# KiCad board Accumulator.kicad_pcb (continued)
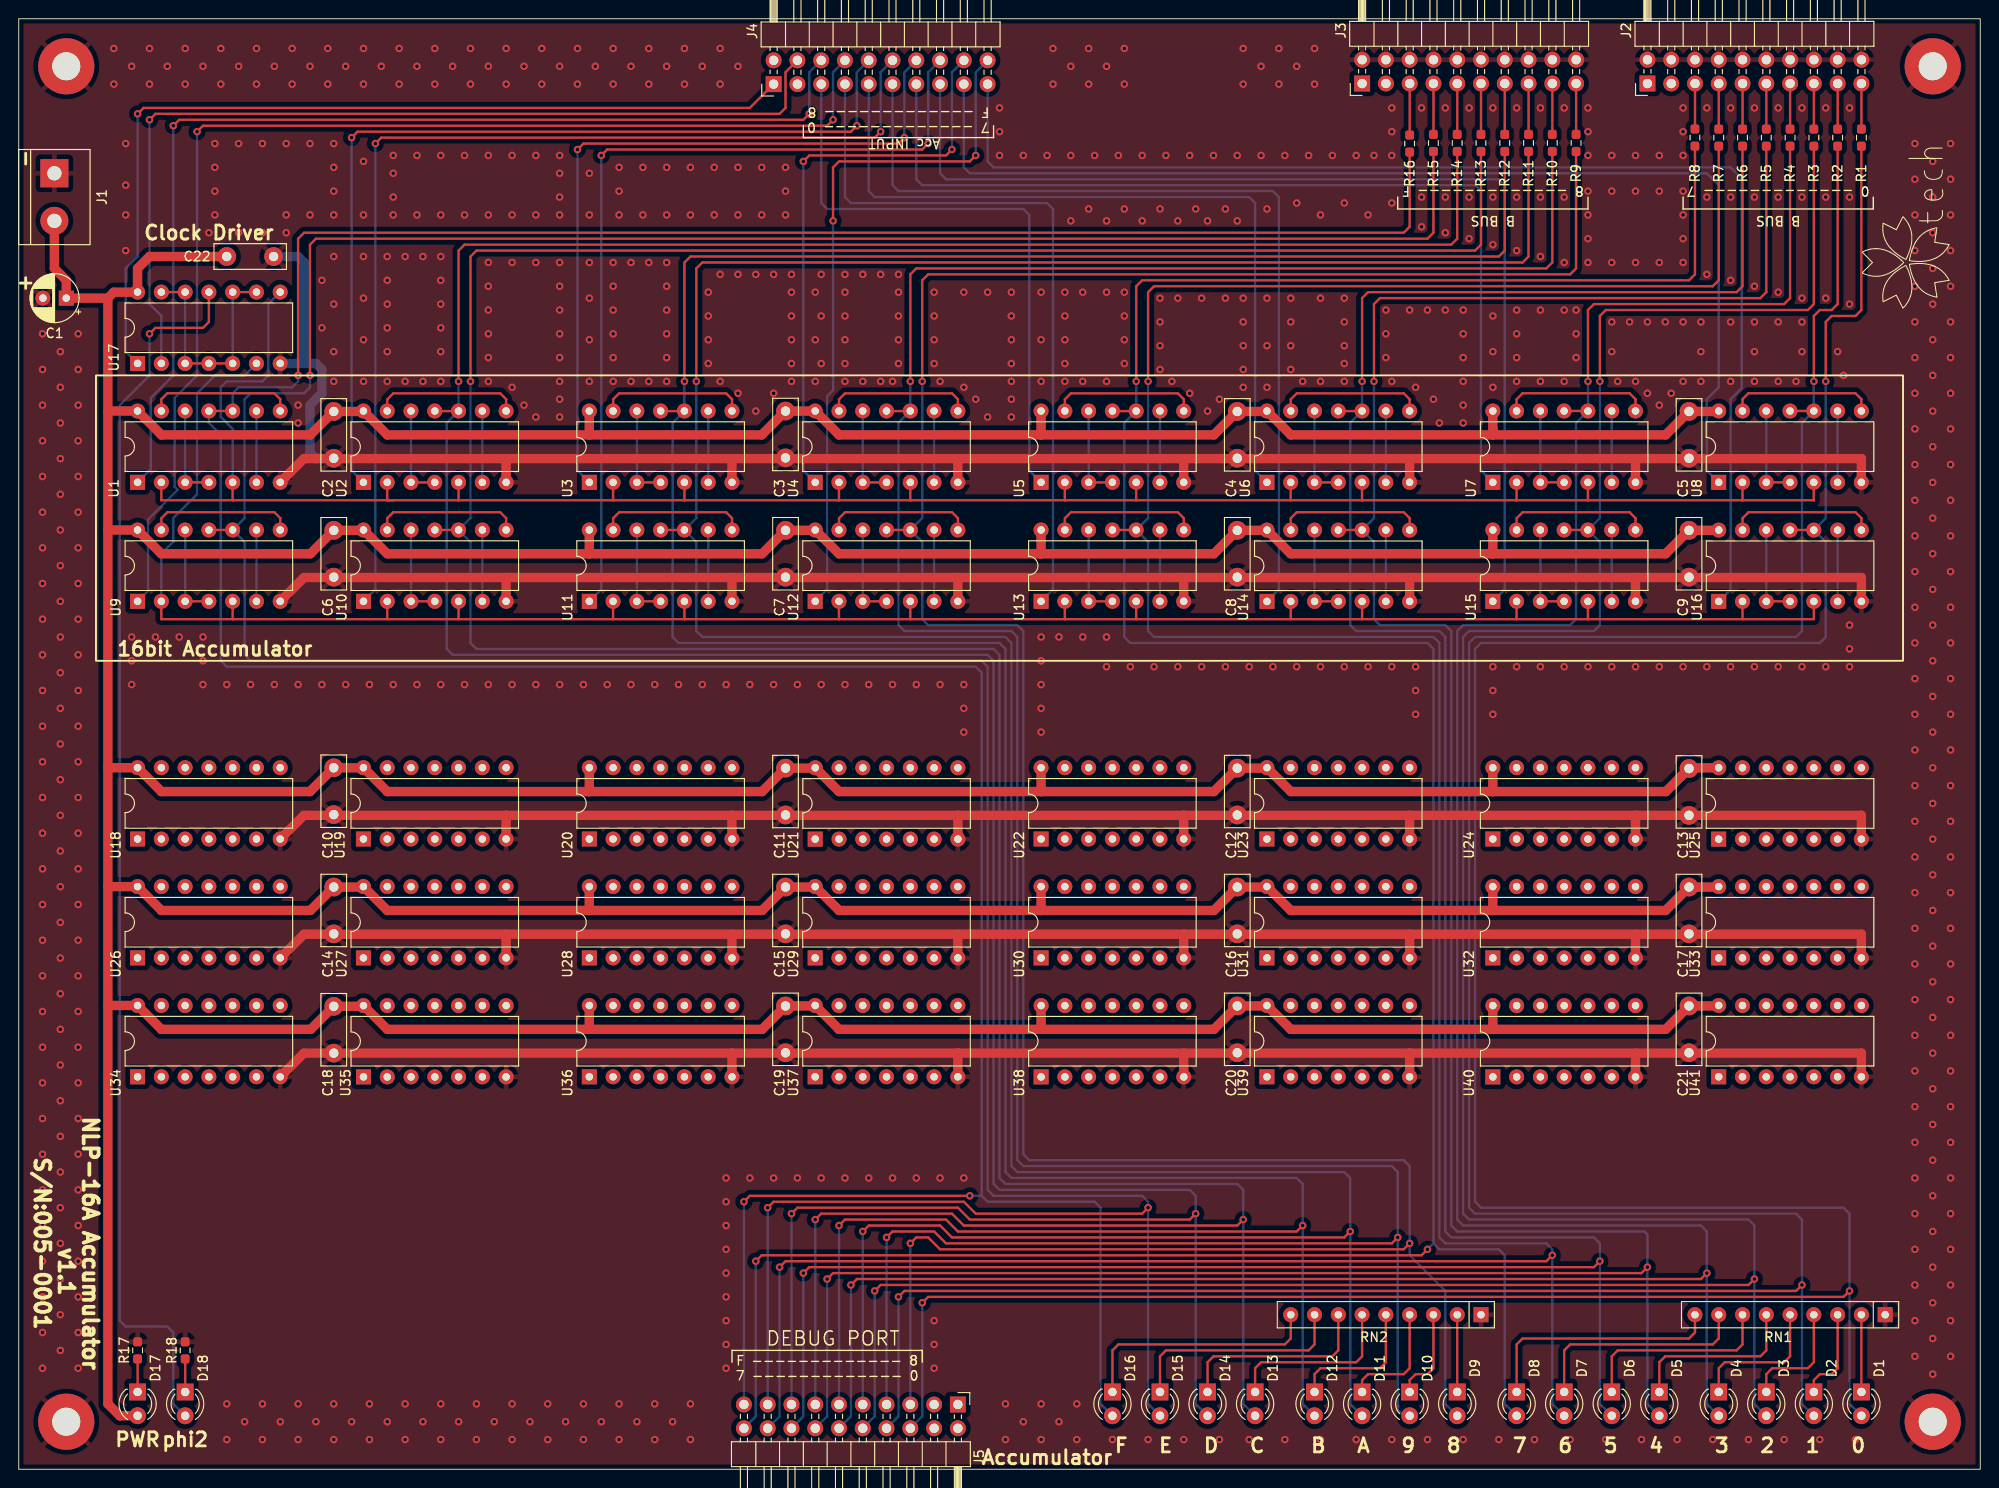
[diagram p0: board, top side]
## Routing (per net, layer and track width the routed paths; a pad name or vN(x,y) marks a point on that pad's centre or on a via; arc(x,y) is an arc through that point) (continued)
/Acc0/Gate: length 238.5
  Top w0.25: 135.89,90.8 119.38,90.8 ; 135.89,90.8 143.51,90.8 ; 135.89,90.8 U14.2 ; 119.38,90.8 119.38,90.81 U13.5 ; 119.38,90.8 111.76,90.8 ; U10.2 39.37,90.8 ; 39.37,90.8 22.86,90.8 ; 39.37,90.8 46.99,90.8 ; 160.02,90.8 143.51,90.8 ; 160.02,90.8 167.64,90.8 ; 160.02,90.8 160.02,90.81 160.02,92.71 ; 143.51,90.8 U14.5 ; U11.2 63.5,90.81 63.5,90.8 ; 95.25,90.8 95.25,90.81 U12.5 ; 95.25,90.8 87.63,90.8 ; 95.25,90.8 111.76,90.8 ; U13.2 111.75,90.81 111.76,90.8 ; 71.12,90.8 71.11,90.81 U11.5 ; 71.12,90.8 87.63,90.8 ; 71.12,90.8 63.5,90.8 ; 22.86,90.8 22.86,90.81 U9.5 ; 22.86,90.8 15.24,90.8 15.23,90.81 U9.2 ; U12.2 87.62,90.81 87.63,90.8 ; 167.64,90.8 184.15,90.8 ; 167.64,90.8 167.63,90.81 U15.5 ; 184.15,90.8 U16.2 ; 184.15,90.8 191.77,90.8 U16.5 ; 63.5,90.8 46.99,90.8 ; 46.99,90.8 U10.5
  Bottom w0.25: U9.2 15.23,97.78 16.51,99.06 16.51,101.6 19.05,104.14 19.05,114.93 20.95,116.84 24.11,116.84 U17.6
/Acc1/Gate: length 233.5
  Top w0.25: U3.2 63.5,103.51 63.5,103.5 ; 160.02,103.5 160.02,103.51 160.02,105.42 ; 160.02,103.5 167.64,103.5 ; 160.02,103.5 143.51,103.5 ; 111.76,103.5 119.38,103.5 ; 111.76,103.5 95.25,103.5 ; 111.76,103.5 111.75,103.51 U5.2 ; 119.38,103.5 135.89,103.5 ; 119.38,103.5 119.38,103.51 U5.5 ; U6.2 135.88,103.51 135.89,103.5 ; 46.99,103.5 46.98,103.51 U2.5 ; 46.99,103.5 63.5,103.5 ; 46.99,103.5 40,103.5 ; 22.86,103.5 22.86,103.51 U1.5 ; 22.86,103.5 40,103.5 ; 22.86,103.5 15.24,103.5 15.23,103.51 U1.2 ; U8.5 191.77,103.51 191.77,103.5 184.15,103.5 ; 167.64,103.5 184.15,103.5 ; 167.64,103.5 167.63,103.51 U7.5 ; 184.15,103.5 184.15,103.51 U8.2 ; 71.12,103.5 87.63,103.5 ; 71.12,103.5 71.11,103.51 U3.5 ; 71.12,103.5 63.5,103.5 ; 87.63,103.5 87.62,103.51 U4.2 ; 87.63,103.5 95.25,103.5 ; U6.5 143.5,103.51 143.51,103.5 ; U4.5 95.25,103.51 95.25,103.5 ; 135.89,103.5 143.51,103.5 ; 39.36,105.42 39.36,103.51 39.37,103.5 40,103.5
  Bottom w0.25: U17.8 26.67,124.47 26.67,116.84 26.03,116.2 22.22,116.2 21.59,115.57 21.59,112.4 22.86,111.13 U1.5
/DEBUG0: length 332.3
  Top w0.25: v1(96.52,17.78) 97.16,18.41 194.94,18.41 v1(195.58,19.05) ; 189.23,100.33 191.77,100.33 ; R1.1 196.85,123.82 196.22,123.19 193.68,123.19 193.04,122.55 v1(193.04,116.2)
  Bottom w0.25: D1.2 195.59,6.98 195.58,6.98 v1(195.58,19.05) 195.58,27.3 194.94,27.94 156.21,27.94 155.57,28.57 155.57,87.63 156.21,88.26 192.41,88.26 193.04,88.9 193.04,99.06 193.03,99.06 U16.10 193.04,101.59 v1(193.04,116.2) ; J5.6 96.52,5.65 v1(96.52,17.78)
/DEBUG1: length 322.2
  Top w0.25: v1(93.98,18.41) 94.62,19.05 189.87,19.05 v1(190.5,19.69) ; R2.1 194.31,124.46 193.68,123.82 192.41,123.82 191.77,123.19 v1(191.77,116.2) ; U8.11 U8.10
  Bottom w0.25: v1(93.98,18.41) 93.98,5.65 J5.8 ; v1(191.77,116.2) 191.77,116.2 U8.10 190.5,111.77 190.5,89.53 189.87,88.9 155.57,88.9 154.94,88.26 154.94,27.94 155.57,27.3 189.87,27.3 190.5,26.67 v1(190.5,19.69) 190.5,6.99 D2.2
/DEBUG2: length 315.8
  Top w0.25: R3.1 191.77,124.46 191.13,123.82 169.54,123.82 168.91,123.19 v1(168.91,116.2) ; 165.1,100.33 167.64,100.33 ; v1(91.44,19.05) 92.07,19.69 184.78,19.69 v1(185.42,20.32)
  Bottom w0.25: v1(91.44,19.05) 91.44,5.65 J5.10 ; v1(168.91,116.2) 168.91,101.6 168.91,101.6 167.63,100.33 168.91,99.06 168.91,99.06 168.91,90.17 168.28,89.53 154.94,89.53 154.31,88.9 154.31,27.3 154.94,26.67 184.78,26.67 185.42,26.03 v1(185.42,20.32) 185.42,6.99 D3.2
/DEBUG3: length 305.7
  Top w0.25: R4.1 189.23,125.09 188.59,124.46 168.28,124.46 167.64,123.82 v1(167.64,116.2) ; v1(88.9,19.69) 89.53,20.32 179.71,20.32 v1(180.34,20.95) ; U7.11 U7.10
  Bottom w0.25: D4.2 180.34,6.98 180.34,6.98 v1(180.34,20.95) 180.34,25.4 179.71,26.03 154.31,26.03 153.67,26.67 153.67,89.53 154.31,90.17 165.74,90.17 166.37,90.8 166.37,111.77 U7.10 167.63,116.2 v1(167.64,116.2) ; J5.12 88.9,5.65 v1(88.9,19.69)
/DEBUG4: length 313.4
  Top w0.25: v1(173.99,21.59) 173.35,20.95 87,20.95 v1(86.36,20.32) ; v1(144.78,116.2) 144.78,124.46 145.41,125.09 186.06,125.09 186.69,125.73 R5.1 ; 140.97,100.33 143.51,100.33
  Bottom w0.25: J5.14 86.36,5.65 v1(86.36,20.32) ; v1(144.78,116.2) 144.78,101.59 U14.10 144.77,99.06 144.78,99.06 144.78,90.8 145.41,90.17 152.4,90.17 153.03,89.53 153.03,26.03 153.67,25.4 173.67,25.4 173.99,25.08 v1(173.99,21.59) 173.99,6.98 D5.2
/DEBUG5: length 307
  Top w0.25: v1(83.82,20.95) 84.46,21.59 168.28,21.59 v1(168.91,22.22) ; 140.97,113.03 143.51,113.03 ; R6.1 184.15,126.36 183.52,125.73 144.15,125.73 143.51,125.09 v1(143.51,116.2)
  Bottom w0.25: v1(143.51,116.2) 143.5,116.2 U6.10 142.24,111.77 142.24,90.17 142.88,89.53 151.77,89.53 152.4,88.9 152.4,25.4 153.03,24.76 168.28,24.76 168.91,24.13 168.91,6.99 D6.2 ; v1(83.82,20.95) 83.82,5.65 J5.16
/DEBUG6: length 342.5
  Top w0.25: v1(81.28,21.59) 81.92,22.22 163.19,22.22 v1(163.83,22.86) ; 116.84,100.33 119.38,100.33 ; R7.1 181.61,127 180.97,126.36 121.28,126.36 120.65,125.73 v1(120.65,116.2)
  Bottom w0.25: D7.2 163.83,6.99 163.83,23.49 163.19,24.13 152.4,24.13 151.77,24.76 151.77,88.26 151.13,88.9 121.28,88.9 120.65,89.53 120.65,99.06 120.65,99.06 119.38,100.33 120.65,101.6 120.65,101.6 v1(120.65,116.2) ; J5.18 81.28,5.65 v1(81.28,21.59)
/DEBUG7: length 328.9
  Top w0.25: v1(150.5,23.49) 149.86,22.86 79.38,22.86 v1(78.74,22.22) ; 116.84,113.03 119.38,113.03 ; R8.1 179.07,127.63 178.44,127 120.02,127 119.38,126.36 v1(119.38,116.2)
  Bottom w0.25: v1(150.5,23.49) 151.13,24.13 ; 151.13,24.13 151.13,87.63 150.5,88.26 118.75,88.26 118.11,88.9 118.11,111.77 U5.10 119.38,116.2 v1(119.38,116.2) ; 151.13,24.13 151.77,23.49 158.12,23.49 158.75,22.86 158.75,6.99 D8.2 ; J5.20 78.74,5.65 v1(78.74,22.22)
/DEBUG8: length 332
  Top w0.25: v1(95.25,24.13) 95.88,24.76 97.16,24.76 98.43,23.49 147.96,23.49 v1(148.59,24.13) ; R9.1 166.37,128.27 165.74,127.63 97.16,127.63 96.52,127 v1(96.52,116.2) ; 92.71,100.33 95.25,100.33
  Bottom w0.25: D9.2 152.4,6.99 152.4,19.05 148.59,22.86 v1(148.59,24.13) 148.59,32.38 147.96,33.02 107.95,33.02 107.31,33.66 107.31,89.53 106.68,90.17 97.16,90.17 96.52,90.8 96.52,99.06 96.52,99.06 95.25,100.33 96.52,101.6 96.52,101.6 v1(96.52,116.2) ; v1(95.25,24.13) 95.25,6.98
/DEBUG9: length 332.1
  Top w0.25: v1(95.25,116.2) 95.25,127.63 95.88,128.27 163.19,128.27 163.83,128.9 R10.1 ; 92.71,113.03 95.25,113.03 ; v1(147.32,24.76) 146.69,24.13 99.06,24.13 97.79,25.4 93.34,25.4 v1(92.71,24.76)
  Bottom w0.25: D10.2 147.96,5.71 147.32,6.35 v1(147.32,24.76) 147.32,31.75 146.69,32.38 107.31,32.38 106.68,33.02 106.68,88.9 106.04,89.53 94.62,89.53 93.98,90.17 93.98,111.77 U4.10 95.25,116.2 v1(95.25,116.2) ; v1(92.71,24.76) 92.71,6.98
/DEBUG10: length 367.2
  Top w0.25: v1(72.39,116.2) 72.39,128.27 73.03,128.9 160.66,128.9 161.29,129.54 R11.1 ; v1(142.24,25.4) 141.6,24.76 99.69,24.76 98.43,26.03 90.81,26.03 v1(90.17,25.4) ; 68.58,100.33 71.12,100.33
  Bottom w0.25: v1(72.39,116.2) 72.39,101.6 72.39,101.6 71.11,100.33 72.39,99.06 72.39,99.06 72.39,89.53 73.03,88.9 105.41,88.9 106.04,88.26 106.04,32.38 106.68,31.75 141.6,31.75 142.24,31.11 142.24,6.98 D11.2 ; 90.17,6.98 v1(90.17,25.4)
/DEBUG11: length 361
  Top w0.25: R12.1 158.75,130.17 158.12,129.54 71.75,129.54 71.12,128.9 v1(71.12,116.2) ; 68.58,113.03 71.12,113.03 ; v1(87.63,26.03) 88.27,26.67 99.06,26.67 100.33,25.4 136.53,25.4 v1(137.16,26.03)
  Bottom w0.25: v1(71.12,116.2) 71.11,116.2 U3.10 69.85,111.77 69.85,88.9 70.48,88.26 104.78,88.26 105.41,87.63 105.41,31.75 106.04,31.11 136.53,31.11 137.16,30.48 v1(137.16,26.03) 137.16,6.99 D12.2 ; 87.63,6.98 v1(87.63,26.03)
/DEBUG12: length 393.9
  Top w0.25: R13.1 156.21,130.81 155.57,130.17 48.89,130.17 48.26,129.54 v1(48.26,116.2) ; 44.45,100.33 46.99,100.33 ; v1(85.09,26.67) 85.72,27.3 99.7,27.3 100.97,26.03 130.18,26.03 v1(130.81,26.67)
  Bottom w0.25: D13.2 130.81,6.99 130.81,29.84 130.18,30.48 105.41,30.48 104.78,31.11 104.78,86.99 104.14,87.63 48.89,87.63 48.26,88.26 48.26,99.06 46.99,100.33 48.26,101.6 v1(48.26,116.2) ; 85.09,6.98 v1(85.09,26.67)
/DEBUG13: length 387.6
  Top w0.25: 44.45,113.03 46.99,113.03 ; R14.1 153.67,131.44 153.03,130.81 47.62,130.81 46.99,130.17 v1(46.99,116.2) ; v1(125.73,27.3) 125.09,26.67 101.6,26.67 100.33,27.94 83.19,27.94 v1(82.55,27.3)
  Bottom w0.25: D14.2 125.73,6.99 125.73,29.21 125.09,29.84 104.78,29.84 104.14,30.48 104.14,86.36 103.5,86.99 46.36,86.99 45.72,87.63 45.72,111.77 U2.10 46.98,116.2 v1(46.99,116.2) ; 82.55,6.98 v1(82.55,27.3)
/DEBUG14: length 422.4
  Top w0.25: 20.32,100.33 22.86,100.33 ; v1(80.01,27.94) 80.64,28.57 100.97,28.57 102.24,27.3 120.02,27.3 v1(120.65,27.94) ; v1(31.11,116.84) 31.11,130.81 31.75,131.44 150.5,131.44 151.13,132.08 R15.1
  Bottom w0.25: 80.01,6.98 v1(80.01,27.94) ; v1(31.11,116.84) 31.11,115.57 30.48,114.93 24.77,114.93 24.12,114.29 24.12,101.6 22.86,100.33 24.12,99.06 24.13,99.06 24.13,86.99 24.77,86.36 102.87,86.36 103.5,85.72 103.5,29.84 104.14,29.21 120.02,29.21 120.65,28.57 120.65,6.99 D15.2
/DEBUG15: length 402.6
  Top w0.25: v1(77.47,28.57) 78.11,29.21 v1(101.6,29.21) ; U1.11 U1.10 ; v1(29.84,116.84) 29.84,131.44 30.48,132.08 147.96,132.08 148.59,132.71 R16.1
  Bottom w0.25: U1.11 20.31,111.76 21.59,110.49 21.59,86.36 22.22,85.72 102.24,85.72 102.87,85.09 102.87,29.21 ; 102.87,29.21 v1(101.6,29.21) ; 102.87,29.21 103.5,28.57 114.94,28.57 115.57,27.94 115.57,6.99 D16.2 ; 77.47,6.98 v1(77.47,28.57) ; U1.10 22.86,114.93 23.5,115.57 29.21,115.57 29.84,116.2 v1(29.84,116.84)
AccIN0: length 135.8
  Bottom w0.25: U16.1 182.88,93.97 182.88,114.3 184.06,115.48 184.06,137.88 182.88,139.06 104.14,139.06 103.5,139.7 J4.19
AccIN1: length 123.1
  Bottom w0.25: U8.1 180.34,106.68 180.34,114.3 181.61,115.57 181.61,137.16 180.34,138.43 101.6,138.43 100.97,139.06 J4.17
AccIN2: length 115.4
  Bottom w0.25: U15.1 157.48,92.71 158.75,93.98 158.75,137.16 158.12,137.79 99.06,137.79 98.43,138.43 J4.15
AccIN3: length 102.6
  Bottom w0.25: J4.13 95.88,137.79 96.52,137.16 155.57,137.16 156.21,136.52 156.21,106.68 157.47,105.42 U7.1
AccIN4: length 96.3
  Bottom w0.25: U14.1 133.35,92.71 134.62,93.98 134.62,135.89 133.99,136.52 93.98,136.52 93.34,137.16 J4.11
AccIN5: length 83.6
  Bottom w0.25: U6.1 133.34,105.42 132.08,106.68 132.08,135.25 131.44,135.89 91.44,135.89 90.81,136.52 J4.9
AccIN6: length 77.3
  Bottom w0.25: U13.1 109.22,92.71 110.49,93.98 110.49,134.62 109.85,135.25 88.9,135.25 88.27,135.89 J4.7
AccIN7: length 64.5
  Bottom w0.25: U5.1 107.96,106.68 107.95,106.68 107.95,133.98 107.31,134.62 86.36,134.62 85.72,135.25 J4.5
AccIN8: length 73.6
  Top w0.25: v1(102.24,140.33) 101.6,139.7 87.63,139.7 87,139.06 v1(87,133.35)
  Bottom w0.25: v1(102.24,140.33) 102.24,149.22 J4.20 ; U12.1 85.09,92.71 86.36,93.98 86.36,114.62 87,115.25 v1(87,133.35)
AccIN9: length 61.3
  Top w0.25: v1(99.69,140.97) 99.06,140.33 84.46,140.33 v1(83.82,139.7)
  Bottom w0.25: v1(99.69,140.97) 99.69,149.22 J4.18 ; v1(83.82,139.7) 83.82,106.68 85.08,105.42 U4.1
AccIN10: length 93
  Top w0.25: v1(97.16,141.6) 96.52,140.97 62.86,140.97 v1(62.23,140.33)
  Bottom w0.25: J4.16 97.16,149.22 v1(97.16,141.6) ; v1(62.23,140.33) 62.23,93.98 60.96,92.71 U11.1
AccIN11: length 80.3
  Top w0.25: v1(59.69,140.97) 60.33,141.6 93.98,141.6 v1(94.62,142.24)
  Bottom w0.25: J4.14 94.62,149.22 v1(94.62,142.24) ; U3.1 60.95,105.42 59.69,106.68 v1(59.69,140.97)
AccIN12: length 112.1
  Top w0.25: v1(92.07,142.88) 91.44,142.24 38.73,142.24 v1(38.1,141.6)
  Bottom w0.25: v1(38.1,141.6) 38.1,93.98 U10.1 ; J4.12 92.07,149.22 v1(92.07,142.88)
AccIN13: length 99.4
  Top w0.25: v1(89.53,143.51) 88.9,142.88 36.2,142.88 v1(35.56,142.24)
  Bottom w0.25: v1(89.53,143.51) 89.53,149.22 J4.10 ; U2.1 36.82,105.42 35.56,106.68 v1(35.56,142.24)
AccIN14: length 128.4
  Top w0.25: v1(19.05,142.88) 19.69,143.51 86.36,143.51 v1(87,144.14)
  Bottom w0.25: U9.1 13.82,93.83 13.82,101.45 16.99,104.62 16.65,104.95 16.65,114.44 19.05,116.84 v1(19.05,142.88) ; v1(87,144.14) 87,149.22 J4.8
AccIN15: length 114.4
  Top w0.25: v1(16.51,143.51) 17.15,144.14 83.82,144.14 v1(84.46,144.78)
  Bottom w0.25: v1(16.51,143.51) 16.51,116.84 14.11,114.44 14.11,106.83 U1.1 ; J4.6 84.46,149.22 v1(84.46,144.78)
OUT0: length 4.9
  Top w0.25: J2.19 196.85,143.16 R1.2
OUT1: length 4.9
  Top w0.25: R2.2 194.31,143.16 J2.17
OUT2: length 4.9
  Top w0.25: J2.15 191.78,143.16 R3.2
OUT3: length 4.9
  Top w0.25: J2.13 189.24,143.16 R4.2
OUT4: length 4.9
  Top w0.25: R5.2 186.69,143.16 J2.11
OUT5: length 4.9
  Top w0.25: J2.9 184.16,143.16 R6.2
OUT6: length 4.9
  Top w0.25: J2.7 181.62,143.16 R7.2
OUT7: length 4.9
  Top w0.25: J2.5 179.07,143.16 R8.2
OUT8: length 5.4
  Top w0.25: J3.19 166.38,142.59 R9.2
OUT9: length 5.4
  Top w0.25: R10.2 163.84,142.59 J3.17
OUT10: length 5.4
  Top w0.25: R11.2 161.29,142.59 J3.15
OUT11: length 5.4
  Top w0.25: J3.13 158.75,142.59 R12.2
OUT12: length 5.4
  Top w0.25: R13.2 156.22,142.59 J3.11
OUT13: length 5.4
  Top w0.25: R14.2 153.68,142.59 J3.9
OUT14: length 5.4
  Top w0.25: J3.7 151.13,142.59 R15.2
OUT15: length 5.5
  Top w0.25: J3.5 148.59,142.52 R16.2
phi2: length 97
  Top w0.25: J4.1 78.11,145.41 13.34,145.41 v1(12.7,144.78)
  Bottom w0.25: v1(12.7,144.78) 12.7,129.54 11.43,128.27 11.43,119.38 U17.1
~Acc: length 100.6
  Top w0.25: J4.4 81.92,149.22 81.92,145.41 81.28,144.78 14.61,144.78 v1(13.97,144.14)
  Bottom w0.25: U17.2 15.23,123.18 15.24,123.19 13.97,124.46 v1(13.97,144.14)
Net-(D1-Pad1): length 8.2
  Top w0.25: D1.1 RN1.2
Net-(D2-Pad1): length 10
  Top w0.25: D2.1 191.77,9.52 192.41,10.16 193.68,10.16 194.31,10.79 RN1.3
Net-(D3-Pad1): length 12.6
  Top w0.25: RN1.4 191.77,11.43 191.13,10.79 187.32,10.79 186.69,10.16 D3.1
Net-(D4-Pad1): length 15.1
  Top w0.25: RN1.5 189.23,12.06 188.59,11.43 182.25,11.43 181.61,10.79 D4.1
Net-(D5-Pad1): length 18.9
  Top w0.25: D5.1 175.26,11.43 175.9,12.06 186.06,12.06 186.69,12.7 RN1.6
Net-(D6-Pad1): length 21.5
  Top w0.25: D6.1 170.18,12.06 170.81,12.7 183.52,12.7 184.15,13.33 RN1.7
Net-(D7-Pad1): length 24
  Top w0.25: RN1.8 181.61,13.97 180.97,13.33 165.74,13.33 165.1,12.7 D7.1
Net-(D8-Pad1): length 26.6
  Top w0.25: D8.1 160.02,13.33 160.66,13.97 178.44,13.97 179.07,14.6 RN1.9
Net-(D9-Pad1): length 8.2
  Top w0.25: D9.1 RN2.2
Net-(D10-Pad1): length 10.1
  Top w0.25: D10.1 148.59,9.52 149.22,10.16 150.5,10.16 151.13,10.79 RN2.3
Net-(D11-Pad1): length 12.6
  Top w0.25: D11.1 143.51,9.52 144.15,10.16 147.96,10.16 148.59,10.79 RN2.4
Net-(D12-Pad1): length 15.1
  Top w0.25: RN2.5 146.05,11.43 145.41,10.79 139.06,10.79 138.43,10.16 D12.1
Net-(D13-Pad1): length 18.9
  Top w0.25: D13.1 132.08,10.79 132.72,11.43 142.88,11.43 143.51,12.06 RN2.6
Net-(D14-Pad1): length 21.5
  Top w0.25: D14.1 127,11.43 127.63,12.06 140.34,12.06 140.97,12.7 RN2.7
Net-(D15-Pad1): length 24
  Top w0.25: D15.1 121.92,12.06 122.56,12.7 137.79,12.7 138.43,13.33 RN2.8
Net-(D16-Pad1): length 26.6
  Top w0.25: RN2.9 135.89,13.97 135.25,13.33 117.47,13.33 116.84,12.7 D16.1
Net-(D17-Pad1): length 3.5
  Top w0.25: D17.1 R17.1
Net-(D18-Pad1): length 3.5
  Top w0.25: 17.78,8.26 R18.1
Net-(D18-Pad2): length 132.4
  Top w0.25: v1(13.97,121.28) 14.61,121.92 19.69,121.92 20.31,122.55 U17.11
  Bottom w0.25: 17.78,5.72 16.51,6.99 16.51,14.6 15.88,15.24 11.43,15.24 10.8,15.88 10.8,113.66 13.97,116.84 v1(13.97,121.28)
Net-(U1-Pad6): length 7.6
  Bottom w0.25: U1.6 U1.9
Net-(U1-Pad12): length 10.2
  Top w0.25: U1.3 U1.4
  Bottom w0.25: U1.3 U1.12
Net-(U1-Pad13): length 15.8
  Top w0.25: U1.8 27.94,114.29 27.94,114.3 27.31,114.93 15.88,114.93 15.23,114.29 U1.13
Net-(U2-Pad6): length 7.6
  Bottom w0.25: 49.53,105.41 49.53,113.03
Net-(U2-Pad12): length 10.2
  Top w0.25: 41.91,105.41 44.45,105.41
  Bottom w0.25: 41.91,105.41 41.91,113.03
Net-(U2-Pad13): length 15.8
  Top w0.25: 52.07,113.03 52.07,114.28 52.08,114.29 51.44,114.92 40.01,114.92 39.37,114.28 39.37,113.03
Net-(U3-Pad6): length 7.6
  Bottom w0.25: 73.66,105.41 73.66,113.03
Net-(U3-Pad12): length 10.2
  Top w0.25: 66.04,105.41 68.58,105.41
  Bottom w0.25: 66.04,105.41 66.04,113.03
Net-(U3-Pad13): length 15.8
  Top w0.25: 76.2,113.03 76.2,114.28 76.2,114.29 75.57,114.92 64.14,114.92 63.5,114.28 63.5,113.03
Net-(U4-Pad6): length 7.6
  Bottom w0.25: 97.79,105.41 97.79,113.03
Net-(U4-Pad12): length 10.2
  Top w0.25: 90.17,105.41 92.71,105.41
  Bottom w0.25: 90.17,105.41 90.17,113.03
Net-(U4-Pad13): length 15.8
  Top w0.25: 100.33,113.03 100.33,114.28 100.34,114.29 99.7,114.92 88.27,114.92 87.63,114.28 87.63,113.03
Net-(U5-Pad6): length 7.6
  Bottom w0.25: 121.92,105.41 121.92,113.03
Net-(U5-Pad12): length 10.2
  Top w0.25: 114.3,105.41 116.84,105.41
  Bottom w0.25: 114.3,105.41 114.3,113.03
Net-(U5-Pad13): length 15.8
  Top w0.25: 124.46,113.03 124.46,114.28 124.47,114.29 123.83,114.92 112.4,114.92 111.76,114.28 111.76,113.03
Net-(U6-Pad6): length 7.6
  Bottom w0.25: 146.05,105.41 146.05,113.03
Net-(U6-Pad12): length 10.2
  Top w0.25: 138.43,105.41 140.97,105.41
  Bottom w0.25: 138.43,105.41 138.43,113.03
Net-(U6-Pad13): length 15.8
  Top w0.25: 148.59,113.03 148.59,114.28 148.59,114.29 147.96,114.92 136.53,114.92 135.89,114.28 135.89,113.03
Net-(U7-Pad6): length 7.6
  Bottom w0.25: 170.18,113.04 170.18,105.42
Net-(U7-Pad12): length 10.2
  Top w0.25: U7.4 U7.3
  Bottom w0.25: U7.12 U7.3
Net-(U7-Pad13): length 15.8
  Top w0.25: U7.8 172.72,114.29 172.72,114.3 172.09,114.93 160.66,114.93 160.02,114.29 160.02,113.04
Net-(U8-Pad6): length 7.6
  Bottom w0.25: U8.6 U8.9
Net-(U8-Pad12): length 10.2
  Top w0.25: U8.3 U8.4
  Bottom w0.25: U8.12 U8.3
Net-(U8-Pad13): length 15.8
  Top w0.25: U8.13 184.15,114.29 184.78,114.93 196.22,114.93 196.85,114.3 196.84,114.29 U8.8
Net-(U9-Pad6): length 7.6
  Bottom w0.25: 25.4,92.71 25.4,100.33
